# Altium PCB host_board.PcbDoc (part 3 of 7) (continued)
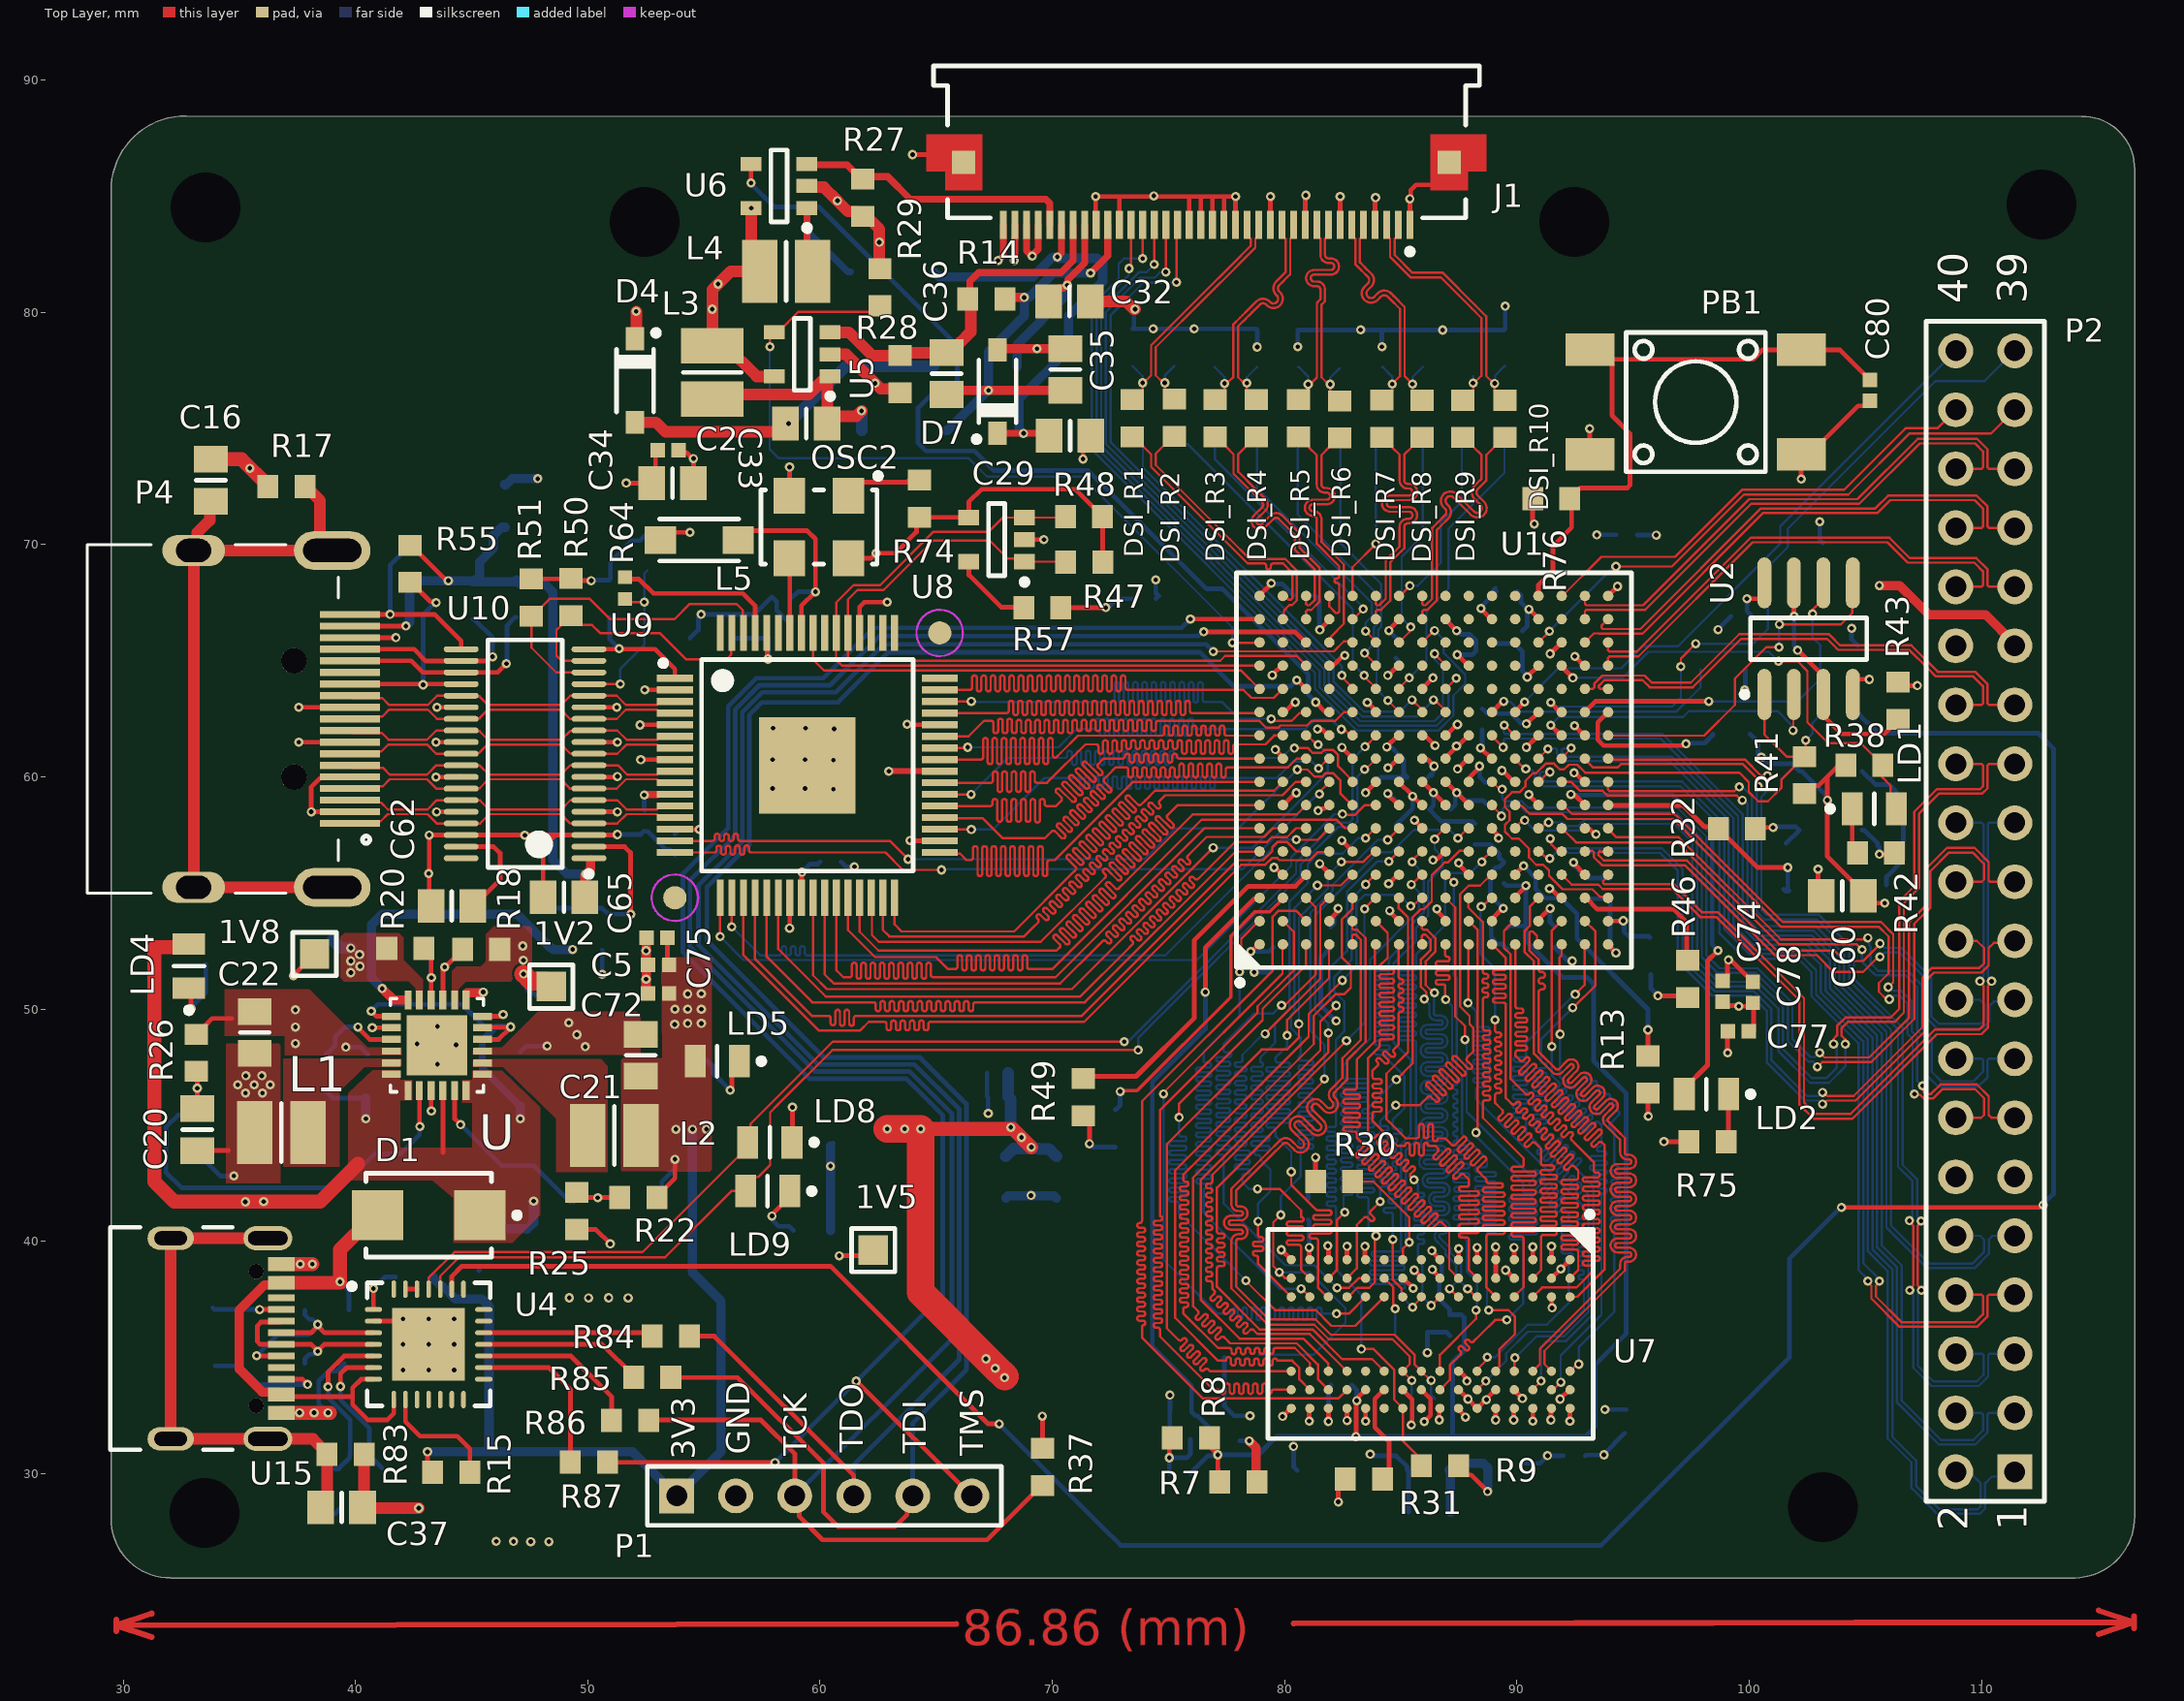
[diagram p0: Top Layer view]
## Nets (pads, with @x,y where several pads share a name; then routed paths per layer and width w, separated by ;. In a path a pad name is that pad's centre, name@x,y a point inside that pad or via, vN(x,y) a via of type N, cw(c..) or ccw(c..) an arc to the next point about the centre after c; other vN are vias at no path point) (continued)
  Bottom Layer w0.1: v1(80.61,49.37) 80.61,53.94 81.855,55.185 81.855,55.763 v1(82.441,56.349)
DDR_BA0: U1.C3 U7.M2 | length 34.9
  Top Layer w0.1: v1(79.86,50.17) 80.005,50.17 81.33,51.495 81.33,54.395 U1.C3@80.905,54.82 ; v2(82.255,38.007) 82.767,38.007 83.18,38.42 U7.M2@83.48,38.42
  Bottom Layer w0.1: v1(79.86,50.17) 79.51,49.82 78.68,49.82 77.371,48.511 77.371,48.245 ccw(c77.471,48.245) 77.471,48.145 77.596,48.145 cw(c77.596,48.045) 77.696,48.045 cw(c77.596,48.045) 77.596,47.945 77.371,47.945 77.146,47.945 ccw(c77.146,47.845) 77.046,47.845 ccw(c77.146,47.845) 77.146,47.745 77.371,47.745 77.556,47.745 cw(c77.556,47.645) 77.656,47.645 cw(c77.556,47.645) 77.556,47.545 77.371,47.545 77.146,47.545 ccw(c77.146,47.445) 77.046,47.445 ccw(c77.146,47.445) 77.146,47.345 77.371,47.345 77.556,47.345 cw(c77.556,47.245) 77.656,47.245 cw(c77.556,47.245) 77.556,47.145 77.371,47.145 77.146,47.145 ccw(c77.146,47.045) 77.046,47.045 ccw(c77.146,47.045) 77.146,46.945 77.371,46.945 77.556,46.945 cw(c77.556,46.845) 77.656,46.845 cw(c77.556,46.845) 77.556,46.745 77.371,46.745 77.146,46.745 ccw(c77.146,46.645) 77.046,46.645 ccw(c77.146,46.645) 77.146,46.545 77.371,46.545 77.556,46.545 cw(c77.556,46.445) 77.656,46.445 cw(c77.556,46.445) 77.556,46.345 77.371,46.345 77.146,46.345 ccw(c77.146,46.245) 77.046,46.245 ccw(c77.146,46.245) 77.146,46.145 77.371,46.145 77.556,46.145 cw(c77.556,46.045) 77.656,46.045 cw(c77.556,46.045) 77.556,45.945 77.371,45.945 77.146,45.945 ccw(c77.146,45.845) 77.046,45.845 ccw(c77.146,45.845) 77.146,45.745 77.371,45.745 77.556,45.745 cw(c77.556,45.645) 77.656,45.645 cw(c77.556,45.645) 77.556,45.545 77.371,45.545 77.146,45.545 ccw(c77.146,45.445) 77.046,45.445 ccw(c77.146,45.445) 77.146,45.345 77.371,45.345 77.556,45.345 cw(c77.556,45.245) 77.656,45.245 cw(c77.556,45.245) 77.556,45.145 77.371,45.145 77.146,45.145 ccw(c77.146,45.045) 77.046,45.045 ccw(c77.146,45.045) 77.146,44.945 77.371,44.945 77.556,44.945 cw(c77.556,44.845) 77.656,44.845 cw(c77.556,44.845) 77.556,44.745 77.371,44.745 77.146,44.745 ccw(c77.146,44.645) 77.046,44.645 ccw(c77.146,44.645) 77.146,44.545 77.371,44.545 77.556,44.545 cw(c77.556,44.445) 77.656,44.445 cw(c77.556,44.445) 77.556,44.345 77.371,44.345 77.146,44.345 ccw(c77.146,44.245) 77.046,44.245 ccw(c77.146,44.245) 77.146,44.145 77.371,44.145 77.556,44.145 cw(c77.556,44.045) 77.656,44.045 cw(c77.556,44.045) 77.556,43.945 77.371,43.945 77.146,43.945 ccw(c77.146,43.845) 77.046,43.845 ccw(c77.146,43.845) 77.146,43.745 77.271,43.745 cw(c77.271,43.645) 77.371,43.645 77.371,43.6 77.371,41.634 80.029,38.976 81.286,38.976 v2(82.255,38.007)
DDR_BA1: U1.C2 U7.N8 | length 38
  Top Layer w0.1: 73.855,36.17 73.855,36.326 cw(c73.924,36.326) 73.924,36.395 73.896,36.395 ; 73.855,36.195 73.855,35.87 76.48,33.245 82.305,33.245 U7.N8@82.68,33.62 ; 73.895,36.395 ccw(c73.895,36.495) 73.995,36.495 ccw(c73.895,36.495) 73.895,36.595 73.855,36.595 73.746,36.595 cw(c73.746,36.695) 73.646,36.695 cw(c73.746,36.695) 73.746,36.795 73.855,36.795 73.895,36.795 ccw(c73.895,36.895) 73.995,36.895 ccw(c73.895,36.895) 73.895,36.995 73.855,36.995 73.746,36.995 cw(c73.746,37.095) 73.646,37.095 cw(c73.746,37.095) 73.746,37.195 73.855,37.195 73.895,37.195 ccw(c73.895,37.295) 73.995,37.295 ccw(c73.895,37.295) 73.895,37.395 73.855,37.395 73.746,37.395 cw(c73.746,37.495) 73.646,37.495 cw(c73.746,37.495) 73.746,37.595 73.855,37.595 73.895,37.595 ccw(c73.895,37.695) 73.995,37.695 ccw(c73.895,37.695) 73.895,37.795 73.855,37.795 73.746,37.795 cw(c73.746,37.895) 73.646,37.895 cw(c73.746,37.895) 73.746,37.995 73.855,37.995 73.895,37.995 ccw(c73.895,38.095) 73.995,38.095 ccw(c73.895,38.095) 73.895,38.195 73.855,38.195 73.746,38.195 cw(c73.746,38.295) 73.646,38.295 cw(c73.746,38.295) 73.746,38.395 73.855,38.395 73.895,38.395 ccw(c73.895,38.495) 73.995,38.495 ccw(c73.895,38.495) 73.895,38.595 73.855,38.595 73.746,38.595 cw(c73.746,38.695) 73.646,38.695 cw(c73.746,38.695) 73.746,38.795 73.855,38.795 73.895,38.795 ccw(c73.895,38.895) 73.995,38.895 ccw(c73.895,38.895) 73.895,38.995 73.855,38.995 73.746,38.995 cw(c73.746,39.095) 73.646,39.095 cw(c73.746,39.095) 73.746,39.195 73.855,39.195 73.895,39.195 ccw(c73.895,39.295) 73.995,39.295 ccw(c73.895,39.295) 73.895,39.395 73.855,39.395 73.746,39.395 cw(c73.746,39.495) 73.646,39.495 cw(c73.746,39.495) 73.746,39.595 73.855,39.595 73.895,39.595 ccw(c73.895,39.695) 73.995,39.695 ccw(c73.895,39.695) 73.895,39.795 73.855,39.795 73.746,39.795 cw(c73.746,39.895) 73.646,39.895 cw(c73.746,39.895) 73.746,39.995 73.855,39.995 73.895,39.995 ccw(c73.895,40.095) 73.995,40.095 ccw(c73.895,40.095) 73.895,40.195 73.855,40.195 73.746,40.195 cw(c73.746,40.295) 73.646,40.295 cw(c73.746,40.295) 73.746,40.395 73.855,40.395 73.895,40.395 ccw(c73.895,40.495) 73.995,40.495 ccw(c73.895,40.495) 73.895,40.595 73.855,40.595 73.746,40.595 cw(c73.746,40.695) 73.646,40.695 cw(c73.746,40.695) 73.746,40.795 73.755,40.795 ccw(c73.755,40.895) 73.855,40.895 73.855,40.995 73.855,41.095 73.855,46.039 79.482,51.666 79.482,53.989 79.738,54.245 80.48,54.245 U1.C2@80.905,53.82
DDR_BA2: U1.B1 U7.M3 | length 34.2
  Top Layer w0.1: v1(74.78,46.359) 74.78,46.415 79.905,51.54 U1.B1@79.905,52.82 ; v2(82.23,36.895) 82.755,36.895 U7.M3@83.48,37.62
  Bottom Layer w0.1: v1(74.78,46.359) 74.78,39.22 77.105,36.895 77.68,36.895 ccw(c77.68,36.995) 77.78,36.995 77.78,37.064 cw(c77.88,37.064) 77.88,37.164 cw(c77.88,37.064) 77.98,37.064 77.98,36.895 77.98,36.726 ccw(c78.08,36.726) 78.08,36.626 ccw(c78.08,36.726) 78.18,36.726 78.18,36.895 78.18,37.064 cw(c78.28,37.064) 78.28,37.164 cw(c78.28,37.064) 78.38,37.064 78.38,36.895 78.38,36.726 ccw(c78.48,36.726) 78.48,36.626 ccw(c78.48,36.726) 78.58,36.726 78.58,36.895 78.58,37.064 cw(c78.68,37.064) 78.68,37.164 cw(c78.68,37.064) 78.78,37.064 78.78,36.895 78.78,36.726 ccw(c78.88,36.726) 78.88,36.626 ccw(c78.88,36.726) 78.98,36.726 78.98,36.895 78.98,37.064 cw(c79.08,37.064) 79.08,37.164 cw(c79.08,37.064) 79.18,37.064 79.18,36.895 79.18,36.726 ccw(c79.28,36.726) 79.28,36.626 ccw(c79.28,36.726) 79.38,36.726 79.38,36.895 79.38,37.064 cw(c79.48,37.064) 79.48,37.164 cw(c79.48,37.064) 79.58,37.064 79.58,36.895 79.58,36.726 ccw(c79.68,36.726) 79.68,36.626 ccw(c79.68,36.726) 79.78,36.726 79.78,36.895 79.78,37.064 cw(c79.88,37.064) 79.88,37.164 cw(c79.88,37.064) 79.98,37.064 79.98,36.895 79.98,36.726 ccw(c80.08,36.726) 80.08,36.626 ccw(c80.08,36.726) 80.18,36.726 80.18,36.895 80.18,37.064 cw(c80.28,37.064) 80.28,37.164 cw(c80.28,37.064) 80.38,37.064 80.38,36.895 80.38,36.726 ccw(c80.48,36.726) 80.48,36.626 ccw(c80.48,36.726) 80.58,36.726 80.58,36.895 80.58,37.064 cw(c80.68,37.064) 80.68,37.164 cw(c80.68,37.064) 80.78,37.064 80.78,36.895 80.78,36.726 ccw(c80.88,36.726) 80.88,36.626 ccw(c80.88,36.726) 80.98,36.726 80.98,36.895 80.98,37.064 cw(c81.08,37.064) 81.08,37.164 cw(c81.08,37.064) 81.18,37.064 81.18,36.895 81.18,36.726 ccw(c81.28,36.726) 81.28,36.626 ccw(c81.28,36.726) 81.38,36.726 81.38,36.895 81.38,37.064 cw(c81.48,37.064) 81.48,37.164 cw(c81.48,37.064) 81.58,37.064 81.58,36.955 ccw(c81.64,36.955) 81.64,36.895 v2(82.23,36.895)
DDR_CAS: U1.H5 U7.K3 | length 34.6
  Top Layer w0.1: v2(84.655,40.095) 84.655,38.35 85.035,37.97 85.035,37.665 U7.K3@85.08,37.62 ; v1(85.48,56.345) 85.48,56.395 U1.H5@85.905,56.82
  Bottom Layer w0.1: v2(84.655,40.095) 84.655,41.145 ccw(c84.555,41.145) 84.555,41.245 84.355,41.245 cw(c84.355,41.345) 84.255,41.345 cw(c84.355,41.345) 84.355,41.445 84.655,41.445 84.705,41.445 ccw(c84.705,41.545) 84.805,41.545 ccw(c84.705,41.545) 84.705,41.645 84.655,41.645 84.554,41.645 cw(c84.554,41.745) 84.454,41.745 cw(c84.554,41.745) 84.554,41.845 84.655,41.845 84.705,41.845 ccw(c84.705,41.945) 84.805,41.945 ccw(c84.705,41.945) 84.705,42.045 84.655,42.045 84.588,42.045 cw(c84.588,42.145) 84.488,42.145 cw(c84.588,42.145) 84.588,42.245 84.655,42.245 84.705,42.245 ccw(c84.705,42.345) 84.805,42.345 ccw(c84.705,42.345) 84.705,42.445 cw(c84.705,42.495) 84.655,42.495 84.655,42.595 cw(c84.705,42.595) 84.705,42.645 ccw(c84.705,42.745) 84.805,42.745 ccw(c84.705,42.745) 84.705,42.845 cw(c84.705,42.895) 84.655,42.895 84.655,42.995 cw(c84.705,42.995) 84.705,43.045 ccw(c84.705,43.145) 84.805,43.145 ccw(c84.705,43.145) 84.705,43.245 cw(c84.705,43.295) 84.655,43.295 84.655,43.395 cw(c84.705,43.395) 84.705,43.445 ccw(c84.705,43.545) 84.805,43.545 ccw(c84.705,43.545) 84.705,43.645 cw(c84.705,43.695) 84.655,43.695 84.655,43.795 cw(c84.705,43.795) 84.705,43.845 ccw(c84.705,43.945) 84.805,43.945 ccw(c84.705,43.945) 84.705,44.045 cw(c84.705,44.095) 84.655,44.095 84.655,44.156 cw(c84.744,44.156) 84.744,44.245 ccw(c84.744,44.345) 84.844,44.345 ccw(c84.744,44.345) 84.744,44.445 cw(c84.744,44.534) 84.655,44.534 84.655,44.545 cw(c84.755,44.545) 84.755,44.645 84.955,44.645 ccw(c84.955,44.745) 85.055,44.745 ccw(c84.955,44.745) 84.955,44.845 84.755,44.845 cw(c84.755,44.945) 84.655,44.945 84.655,45.045 84.655,45.245 84.655,45.25 84.726,45.321 84.727,45.323 85.155,45.75 85.155,47.115 84.696,47.573 84.48,47.79 84.48,47.947 ccw(c84.38,47.947) 84.38,48.047 83.974,48.047 cw(c83.974,48.147) 83.974,48.247 84.421,48.247 ccw(c84.421,48.347) 84.421,48.447 83.974,48.447 cw(c83.974,48.547) 83.974,48.647 84.38,48.647 ccw(c84.38,48.747) 84.38,48.847 83.98,48.847 cw(c83.98,48.947) 83.98,49.047 84.38,49.047 ccw(c84.38,49.147) 84.38,49.247 83.98,49.247 cw(c83.98,49.347) 83.98,49.447 84.38,49.447 ccw(c84.38,49.547) 84.38,49.647 83.98,49.647 cw(c83.98,49.747) 83.98,49.847 84.38,49.847 ccw(c84.38,49.947) 84.38,50.047 83.98,50.047 cw(c83.98,50.147) 83.98,50.247 84.38,50.247 ccw(c84.38,50.347) 84.38,50.447 83.98,50.447 cw(c83.98,50.547) 83.98,50.647 84.38,50.647 ccw(c84.38,50.747) 84.38,50.847 83.98,50.847 cw(c83.98,50.947) 83.98,51.047 84.38,51.047 ccw(c84.38,51.147) 84.38,51.247 83.98,51.247 cw(c83.98,51.347) 83.98,51.447 84.38,51.447 ccw(c84.38,51.547) 84.38,51.647 83.98,51.647 cw(c83.98,51.747) 83.98,51.847 84.38,51.847 ccw(c84.38,51.947) 84.48,51.947 84.48,52.158 84.519,52.197 85.455,53.133 85.455,53.636 85.98,54.161 85.98,55.845 v1(85.48,56.345)
DDR_CKE: R9.2 U1.F4 U7.K9 | length 34.4
  Top Layer w0.1: v2(83.298,35.37) 83.825,35.37 84.705,34.49 84.705,33.207 85.08,32.832 85.08,31.42 86.059,30.441 86.059,30.3 R9.2@86.064,30.295 ; v1(83.486,55.376) 83.486,55.401 U1.F4@83.905,55.82
  Bottom Layer w0.1: v2(83.298,35.37) 83.298,37.702 82.214,38.786 82.214,41.1 82.214,41.132 82.214,41.332 82.214,41.432 ccw(c82.114,41.432) 82.114,41.532 81.9,41.532 cw(c81.9,41.632) 81.8,41.632 cw(c81.9,41.632) 81.9,41.732 82.114,41.732 ccw(c82.114,41.832) 82.214,41.832 ccw(c82.114,41.832) 82.114,41.932 81.9,41.932 cw(c81.9,42.032) 81.8,42.032 cw(c81.9,42.032) 81.9,42.132 82.114,42.132 ccw(c82.114,42.232) 82.214,42.232 ccw(c82.114,42.232) 82.114,42.332 81.9,42.332 cw(c81.9,42.432) 81.8,42.432 cw(c81.9,42.432) 81.9,42.532 82.114,42.532 ccw(c82.114,42.632) 82.214,42.632 ccw(c82.114,42.632) 82.114,42.732 81.9,42.732 cw(c81.9,42.832) 81.8,42.832 cw(c81.9,42.832) 81.9,42.932 82.114,42.932 ccw(c82.114,43.032) 82.214,43.032 ccw(c82.114,43.032) 82.114,43.132 81.9,43.132 cw(c81.9,43.232) 81.8,43.232 cw(c81.9,43.232) 81.9,43.332 82.114,43.332 ccw(c82.114,43.432) 82.214,43.432 ccw(c82.114,43.432) 82.114,43.532 81.9,43.532 cw(c81.9,43.632) 81.8,43.632 cw(c81.9,43.632) 81.9,43.732 82.114,43.732 ccw(c82.114,43.832) 82.214,43.832 ccw(c82.114,43.832) 82.114,43.932 81.9,43.932 cw(c81.9,44.032) 81.8,44.032 cw(c81.9,44.032) 81.9,44.132 82.114,44.132 ccw(c82.114,44.232) 82.214,44.232 ccw(c82.114,44.232) 82.114,44.332 81.9,44.332 cw(c81.9,44.432) 81.8,44.432 cw(c81.9,44.432) 81.9,44.532 82.114,44.532 ccw(c82.114,44.632) 82.214,44.632 ccw(c82.114,44.632) 82.114,44.732 81.9,44.732 cw(c81.9,44.832) 81.8,44.832 cw(c81.9,44.832) 81.9,44.932 82.114,44.932 ccw(c82.114,45.032) 82.214,45.032 82.214,45.132 82.214,45.232 82.214,48.699 82.564,49.049 82.564,50.336 82.13,50.769 82.13,51.39 82.88,52.14 82.88,54.77 v1(83.486,55.376)
DDR_CLK_N: R12.1 U1.E1 U7.K7 | length 35.7
  Top Layer w0.1: 80.788,44.078 cw(c80.674,44.194) 80.559,44.079 80.293,44.345 ccw(c80.036,44.089) 79.779,44.344 79.264,43.829 77.705,42.27 77.705,41.765 77.705,41.615 ccw(c78.005,41.615) 78.005,41.315 78.098,41.315 cw(c78.098,41.215) 78.098,41.115 77.688,41.115 ccw(c77.688,40.815) 77.688,40.515 78.098,40.515 cw(c78.098,40.415) 78.098,40.315 78.005,40.315 ccw(c78.005,40.015) 77.705,40.015 77.705,39.4 77.705,37.987 79.272,36.42 81.272,36.42 81.897,35.795 84.638,35.795 85.253,35.179 85.38,35.053 85.38,34.72 U7.K7@85.08,34.42 85.08,34.405 85.46,34.025 v1@85.46,34.01 ; 80.789,44.08 ccw(c80.674,44.194) 80.789,44.308 80.326,44.771 cw(c80.583,45.027) 80.327,45.284 cw(c80.583,45.027) 80.84,45.283 81.301,44.822 ; 81.301,44.822 ccw(c81.416,44.936) 81.531,44.821 ; 81.532,44.822 ccw(c81.416,44.936) 81.532,45.051 81.069,45.513 cw(c81.325,45.77) 81.069,46.026 cw(c81.325,45.77) 81.582,46.026 ; 81.582,46.025 81.816,45.791 ; 81.817,45.791 ccw(c81.932,45.906) 82.046,45.79 ; 82.047,45.791 ccw(c81.932,45.906) 82.047,46.02 82.008,46.059 cw(c82.264,46.316) 82.008,46.573 82.114,46.679 82.48,47.045 82.48,47.89 83.28,48.69 83.28,49.995 83.28,50.668 83.28,52.986 83.046,53.22 82.964,53.22 82.905,53.161 U1.E1@82.905,52.82
  Bottom Layer w0.1: v1(85.47,34.02) 85.47,33.415 85.405,33.35 R12.1@85.535,33.22
DDR_CLK_P: R12.2 U1.E2 U7.J7 | length 36
  Top Layer w0.1: 80.468,45.142 ccw(c80.583,45.027) 80.468,44.912 80.929,44.451 cw(c80.674,44.194) 80.93,43.938 cw(c80.674,44.194) 80.417,43.938 80.152,44.203 ccw(c80.036,44.089) 79.921,44.203 79.406,43.688 77.905,42.187 77.905,41.765 77.905,41.615 ccw(c78.005,41.615) 78.005,41.515 78.098,41.515 cw(c78.098,41.215) 78.098,40.915 77.688,40.915 ccw(c77.688,40.815) 77.688,40.715 78.098,40.715 cw(c78.098,40.415) 78.098,40.115 78.005,40.115 ccw(c78.005,40.015) 77.905,40.015 77.905,39.4 77.905,38.07 79.33,36.645 81.33,36.645 81.98,35.995 84.721,35.995 85.58,35.136 85.58,34.72 U7.J7@85.88,34.42 v1@86.28,34.02 ; 80.468,45.143 cw(c80.583,45.027) 80.697,45.143 81.16,44.68 ccw(c81.416,44.936) 81.673,44.68 ccw(c81.416,44.936) 81.672,45.193 81.211,45.654 ; 81.211,45.655 cw(c81.325,45.77) 81.21,45.884 ; 81.211,45.885 cw(c81.325,45.77) 81.44,45.885 81.676,45.649 ccw(c81.932,45.906) 82.188,45.649 ccw(c81.932,45.906) 82.188,46.162 ; 82.149,46.431 ccw(c82.264,46.316) 82.149,46.201 ; 82.15,46.201 82.187,46.163 ; 82.149,46.432 82.255,46.537 82.68,46.962 82.68,47.807 83.48,48.607 83.48,51.115 83.48,51.615 83.48,53.069 83.129,53.42 82.964,53.42 82.905,53.479 U1.E2@82.905,53.81
  Bottom Layer w0.1: v1(86.305,34.03) 86.305,33.39 R12.2@86.475,33.22
DDR_CS: R10.2 U7.L2 | length 2.5
  Top Layer w0.1: U7.L2@84.28,38.42 84.287,38.42 84.67,38.037 84.67,37.145 v1@84.705,37.11
  Bottom Layer w0.1: R10.2@84.755,36.063 v1(84.755,37.11)
DDR_D0: U1.G3 U7.E3 | length 37.4
  Top Layer w0.1: U1.G3@84.905,54.82 84.905,54.35 85.305,53.95 85.305,48.152 84.38,47.227 84.38,45.27 84.48,45.17 85.064,44.586 85.193,44.458 85.205,44.445 85.38,44.445 85.58,44.445 85.68,44.445 ccw(c85.68,44.545) 85.78,44.545 85.78,44.97 cw(c85.88,44.97) 85.88,45.07 cw(c85.88,44.97) 85.98,44.97 85.98,44.545 ccw(c86.08,44.545) 86.08,44.445 ccw(c86.08,44.545) 86.18,44.545 86.18,44.97 cw(c86.28,44.97) 86.28,45.07 cw(c86.28,44.97) 86.38,44.97 86.38,44.445 86.38,44.42 ccw(c86.48,44.42) 86.48,44.32 ccw(c86.48,44.42) 86.58,44.42 cw(c86.605,44.42) 86.605,44.445 86.68,44.445 86.905,44.445 86.976,44.374 87.117,44.233 87.188,44.162 ccw(c87.259,44.233) 87.329,44.162 87.652,44.485 cw(c87.723,44.415) 87.794,44.485 cw(c87.723,44.415) 87.794,44.344 87.471,44.021 ccw(c87.541,43.95) 87.471,43.879 ccw(c87.541,43.95) 87.612,43.879 87.935,44.203 cw(c88.006,44.132) 88.077,44.203 cw(c88.006,44.132) 88.077,44.061 87.754,43.738 ccw(c87.824,43.667) 87.754,43.596 ccw(c87.824,43.667) 87.895,43.596 88.218,43.92 cw(c88.289,43.849) 88.36,43.92 cw(c88.289,43.849) 88.36,43.778 88.036,43.455 ccw(c88.107,43.384) 88.036,43.314 ccw(c88.107,43.384) 88.178,43.314 88.501,43.637 cw(c88.572,43.566) 88.642,43.637 cw(c88.572,43.566) 88.642,43.495 88.319,43.172 ccw(c88.39,43.102) 88.319,43.031 88.39,42.96 88.439,42.911 88.68,42.67 88.68,42.657 88.68,42.62 ccw(c88.78,42.62) 88.78,42.52 89.289,42.52 cw(c89.289,42.42) 89.389,42.42 cw(c89.289,42.42) 89.289,42.32 88.68,42.32 88.626,42.32 ccw(c88.626,42.22) 88.526,42.22 ccw(c88.626,42.22) 88.626,42.12 88.68,42.12 89.367,42.12 cw(c89.367,42.02) 89.467,42.02 cw(c89.367,42.02) 89.367,41.92 88.68,41.92 88.626,41.92 ccw(c88.626,41.82) 88.526,41.82 ccw(c88.626,41.82) 88.626,41.72 88.68,41.72 89.367,41.72 cw(c89.367,41.62) 89.467,41.62 cw(c89.367,41.62) 89.367,41.52 88.68,41.52 88.626,41.52 ccw(c88.626,41.42) 88.526,41.42 ccw(c88.626,41.42) 88.626,41.32 88.68,41.32 89.367,41.32 cw(c89.367,41.22) 89.467,41.22 cw(c89.367,41.22) 89.367,41.12 88.68,41.12 88.626,41.12 ccw(c88.626,41.02) 88.526,41.02 ccw(c88.626,41.02) 88.626,40.92 88.68,40.92 89.367,40.92 cw(c89.367,40.82) 89.467,40.82 cw(c89.367,40.82) 89.367,40.72 88.68,40.72 88.626,40.72 ccw(c88.626,40.62) 88.526,40.62 ccw(c88.626,40.62) 88.626,40.52 88.68,40.52 89.367,40.52 cw(c89.367,40.42) 89.467,40.42 cw(c89.367,40.42) 89.367,40.32 88.78,40.32 ccw(c88.78,40.22) 88.68,40.22 88.68,40.12 88.68,40.02 88.68,38.02 U7.E3@89.08,37.62
DDR_D1: U1.J3 U7.F7 | length 34.3
  Top Layer w0.1: U1.J3@86.905,54.82 87.341,54.384 87.341,49.693 87.755,49.279 v1(87.755,48.695) ; U7.F7@88.28,34.42 88.28,34.495 88.656,34.871 88.656,34.963 v2(88.714,35.02)
  Bottom Layer w0.1: v1(87.755,48.695) 87.83,48.62 87.83,45.59 90.515,42.905 ccw(c90.56,42.95) 90.606,42.905 90.756,43.055 cw(c90.827,42.984) 90.897,43.055 cw(c90.827,42.984) 90.897,42.914 90.702,42.718 90.56,42.576 ccw(c90.631,42.505) 90.56,42.435 ccw(c90.631,42.505) 90.701,42.435 90.843,42.577 91.039,42.772 cw(c91.11,42.701) 91.18,42.772 cw(c91.11,42.701) 91.18,42.631 90.985,42.435 90.843,42.293 ccw(c90.914,42.223) 90.843,42.152 ccw(c90.914,42.223) 90.984,42.152 91.126,42.294 91.322,42.489 cw(c91.392,42.419) 91.463,42.489 cw(c91.392,42.419) 91.463,42.348 91.268,42.152 91.126,42.01 ccw(c91.196,41.94) 91.126,41.869 ccw(c91.196,41.94) 91.267,41.869 91.409,42.011 91.605,42.206 cw(c91.675,42.136) 91.746,42.206 cw(c91.675,42.136) 91.746,42.065 91.55,41.87 91.409,41.728 ccw(c91.479,41.657) 91.408,41.586 ccw(c91.479,41.657) 91.55,41.586 91.692,41.728 91.887,41.924 cw(c91.958,41.853) 92.029,41.924 cw(c91.958,41.853) 92.029,41.782 91.833,41.587 91.691,41.445 ccw(c91.762,41.374) 91.691,41.303 ccw(c91.762,41.374) 91.833,41.303 91.904,41.375 cw(c91.975,41.304) 92.045,41.375 92.23,41.19 92.23,41.09 92.23,40.99 cw(c92.13,40.99) 92.13,40.89 92.013,40.89 ccw(c92.013,40.79) 91.913,40.79 ccw(c92.013,40.79) 92.013,40.69 92.23,40.69 92.318,40.69 cw(c92.318,40.59) 92.418,40.59 cw(c92.318,40.59) 92.318,40.49 92.23,40.49 92.013,40.49 ccw(c92.013,40.39) 91.913,40.39 ccw(c92.013,40.39) 92.013,40.29 92.23,40.29 92.318,40.29 cw(c92.318,40.19) 92.418,40.19 cw(c92.318,40.19) 92.318,40.09 92.23,40.09 92.013,40.09 ccw(c92.013,39.99) 91.913,39.99 ccw(c92.013,39.99) 92.013,39.89 92.23,39.89 92.318,39.89 cw(c92.318,39.79) 92.418,39.79 cw(c92.318,39.79) 92.318,39.69 92.23,39.69 92.013,39.69 ccw(c92.013,39.59) 91.913,39.59 ccw(c92.013,39.59) 92.013,39.49 92.23,39.49 92.318,39.49 cw(c92.318,39.39) 92.418,39.39 cw(c92.318,39.39) 92.318,39.29 92.23,39.29 92.155,39.29 ccw(c92.155,39.19) 92.055,39.19 ccw(c92.155,39.19) 92.155,39.09 92.136,39.09 cw(c92.136,38.996) 92.23,38.996 92.23,38.89 92.23,38.868 92.23,37.375 91.279,36.424 90.453,36.424 89.048,35.02 v2(88.714,35.02)
DDR_D2: U1.G1 U7.F2 | length 37.5
  Top Layer w0.1: U1.G1@84.905,52.82 84.905,51.45 84.905,51.4 ccw(c85.005,51.4) 85.005,51.3 cw(c85.005,51.2) 85.005,51.1 84.999,51.1 ccw(c84.999,51) 84.999,50.9 85.005,50.9 cw(c85.005,50.8) 85.005,50.7 84.999,50.7 ccw(c84.999,50.6) 84.999,50.5 85.005,50.5 cw(c85.005,50.4) 85.005,50.3 84.999,50.3 ccw(c84.999,50.2) 84.999,50.1 85.005,50.1 cw(c85.005,50) 85.005,49.9 ccw(c85.005,49.8) 84.905,49.8 84.905,49.345 84.905,48.483 84.761,48.339 84.7,48.277 ccw(c84.77,48.206) 84.7,48.136 84.717,48.118 cw(c84.647,48.047) 84.717,47.977 cw(c84.647,48.047) 84.576,47.977 84.487,48.065 84.399,48.153 ccw(c84.328,48.083) 84.258,48.153 ccw(c84.328,48.083) 84.258,48.012 84.346,47.924 84.434,47.835 cw(c84.364,47.764) 84.434,47.694 cw(c84.364,47.764) 84.293,47.694 84.205,47.782 84.116,47.871 ccw(c84.046,47.8) 83.975,47.871 ccw(c84.046,47.8) 83.975,47.729 83.993,47.711 cw(c83.922,47.641) 83.992,47.57 83.886,47.464 83.78,47.357 83.78,47.142 83.78,47.092 ccw(c83.88,47.092) 83.88,46.992 84.08,46.992 cw(c84.08,46.892) 84.08,46.792 83.88,46.792 ccw(c83.88,46.692) 83.88,46.592 84.08,46.592 cw(c84.08,46.492) 84.08,46.392 83.88,46.392 ccw(c83.88,46.292) 83.88,46.192 84.08,46.192 cw(c84.08,46.092) 84.08,45.992 83.88,45.992 ccw(c83.88,45.892) 83.88,45.792 84.08,45.792 cw(c84.08,45.692) 84.08,45.592 83.88,45.592 ccw(c83.88,45.492) 83.78,45.492 83.78,45.295 83.78,45.259 83.78,45.195 84.855,44.12 84.98,44.12 85.155,44.12 ccw(c85.155,44.145) 85.18,44.145 cw(c85.28,44.145) 85.28,44.245 cw(c85.28,44.145) 85.38,44.145 85.38,44.12 85.38,43.795 ccw(c85.48,43.795) 85.48,43.695 ccw(c85.48,43.795) 85.58,43.795 85.58,44.12 85.58,44.145 cw(c85.68,44.145) 85.68,44.245 cw(c85.68,44.145) 85.78,44.145 85.78,44.12 85.78,43.795 ccw(c85.88,43.795) 85.88,43.695 ccw(c85.88,43.795) 85.98,43.795 85.98,44.12 85.98,44.145 cw(c86.08,44.145) 86.08,44.245 cw(c86.08,44.145) 86.18,44.145 ccw(c86.205,44.145) 86.205,44.12 86.38,44.12 86.48,44.12 86.515,44.085 86.586,44.014 cw(c86.515,43.943) 86.586,43.872 86.427,43.713 ccw(c86.498,43.643) 86.427,43.572 ccw(c86.498,43.643) 86.568,43.572 86.798,43.802 86.961,43.965 cw(c87.032,43.894) 87.103,43.965 cw(c87.032,43.894) 87.103,43.823 86.94,43.66 86.71,43.43 ccw(c86.781,43.36) 86.71,43.289 ccw(c86.781,43.36) 86.851,43.289 87.081,43.519 87.244,43.682 cw(c87.315,43.611) 87.385,43.682 cw(c87.315,43.611) 87.385,43.54 87.223,43.377 86.993,43.148 ccw(c87.063,43.077) 86.993,43.006 ccw(c87.063,43.077) 87.134,43.006 87.364,43.236 87.527,43.399 cw(c87.598,43.328) 87.668,43.399 cw(c87.598,43.328) 87.668,43.258 87.505,43.095 87.276,42.865 ccw(c87.346,42.794) 87.276,42.723 ccw(c87.346,42.794) 87.417,42.723 87.576,42.882 cw(c87.647,42.812) 87.717,42.883 87.867,42.733 87.93,42.67 87.93,42.57 87.93,42.47 cw(c87.83,42.47) 87.83,42.37 87.605,42.37 ccw(c87.605,42.27) 87.505,42.27 ccw(c87.605,42.27) 87.605,42.17 87.93,42.17 88.255,42.17 cw(c88.255,42.07) 88.355,42.07 cw(c88.255,42.07) 88.255,41.97 87.93,41.97 87.605,41.97 ccw(c87.605,41.87) 87.505,41.87 ccw(c87.605,41.87) 87.605,41.77 87.93,41.77 88.255,41.77 cw(c88.255,41.67) 88.355,41.67 cw(c88.255,41.67) 88.255,41.57 87.93,41.57 87.605,41.57 ccw(c87.605,41.47) 87.505,41.47 ccw(c87.605,41.47) 87.605,41.37 87.93,41.37 88.255,41.37 cw(c88.255,41.27) 88.355,41.27 cw(c88.255,41.27) 88.255,41.17 87.93,41.17 87.605,41.17 ccw(c87.605,41.07) 87.505,41.07 ccw(c87.605,41.07) 87.605,40.97 87.93,40.97 88.255,40.97 cw(c88.255,40.87) 88.355,40.87 cw(c88.255,40.87) 88.255,40.77 87.93,40.77 87.605,40.77 ccw(c87.605,40.67) 87.505,40.67 ccw(c87.605,40.67) 87.605,40.57 87.93,40.57 88.255,40.57 cw(c88.255,40.47) 88.355,40.47 cw(c88.255,40.47) 88.255,40.37 87.93,40.37 87.605,40.37 ccw(c87.605,40.27) 87.505,40.27 ccw(c87.605,40.27) 87.605,40.17 87.83,40.17 cw(c87.83,40.07) 87.93,40.07 87.93,38.77 U7.F2@88.28,38.42
DDR_D3: U1.K1 U7.F8 | length 34.3
  Top Layer w0.1: v1(87.891,50.27) 87.905,50.285 U1.K1@87.905,52.82 ; U7.F8@88.28,33.62 v2(88.655,33.995)
  Bottom Layer w0.1: v1(87.891,50.27) 88.233,49.928 88.233,49.82 88.233,49.39 88.233,49.34 ccw(c88.333,49.34) 88.333,49.24 88.722,49.24 cw(c88.722,49.14) 88.722,49.04 88.218,49.04 ccw(c88.218,48.94) 88.218,48.84 88.722,48.84 cw(c88.722,48.74) 88.722,48.64 88.218,48.64 ccw(c88.218,48.54) 88.218,48.44 88.722,48.44 cw(c88.722,48.34) 88.722,48.24 88.218,48.24 ccw(c88.218,48.14) 88.218,48.04 88.722,48.04 cw(c88.722,47.94) 88.722,47.84 88.218,47.84 ccw(c88.218,47.74) 88.218,47.64 88.722,47.64 cw(c88.722,47.54) 88.722,47.44 88.218,47.44 ccw(c88.218,47.34) 88.218,47.24 88.722,47.24 cw(c88.722,47.14) 88.722,47.04 88.218,47.04 ccw(c88.218,46.94) 88.218,46.84 88.514,46.84 cw(c88.514,46.74) 88.514,46.64 88.333,46.64 ccw(c88.333,46.54) 88.233,46.54 88.233,46.245 88.233,46.142 88.255,46.12 92.88,41.495 92.88,41.27 92.88,41.17 92.88,41.07 cw(c92.78,41.07) 92.78,40.97 92.681,40.97 ccw(c92.681,40.87) 92.581,40.87 ccw(c92.681,40.87) 92.681,40.77 92.78,40.77 cw(c92.78,40.67) 92.88,40.67 cw(c92.78,40.67) 92.78,40.57 92.744,40.57 ccw(c92.744,40.47) 92.644,40.47 ccw(c92.744,40.47) 92.744,40.37 92.78,40.37 cw(c92.78,40.27) 92.88,40.27 cw(c92.78,40.27) 92.78,40.17 92.744,40.17 ccw(c92.744,40.07) 92.644,40.07 ccw(c92.744,40.07) 92.744,39.97 92.78,39.97 cw(c92.78,39.87) 92.88,39.87 cw(c92.78,39.87) 92.78,39.77 92.744,39.77 ccw(c92.744,39.67) 92.644,39.67 ccw(c92.744,39.67) 92.744,39.57 92.78,39.57 cw(c92.78,39.47) 92.88,39.47 cw(c92.78,39.47) 92.78,39.37 92.744,39.37 ccw(c92.744,39.27) 92.644,39.27 ccw(c92.744,39.27) 92.744,39.17 92.78,39.17 cw(c92.78,39.07) 92.88,39.07 cw(c92.78,39.07) 92.78,38.97 92.744,38.97 ccw(c92.744,38.87) 92.644,38.87 ccw(c92.744,38.87) 92.744,38.77 92.78,38.77 cw(c92.78,38.67) 92.88,38.67 cw(c92.78,38.67) 92.78,38.57 92.744,38.57 ccw(c92.744,38.47) 92.644,38.47 ccw(c92.744,38.47) 92.744,38.37 92.78,38.37 cw(c92.78,38.27) 92.88,38.27 92.88,37.295 92.88,37.054 91.946,36.12 90.46,36.12 89.53,35.19 89.53,34.87 v2(88.655,33.995)